# KiCad board RADAR_Main_Board.kicad_pcb (continued)
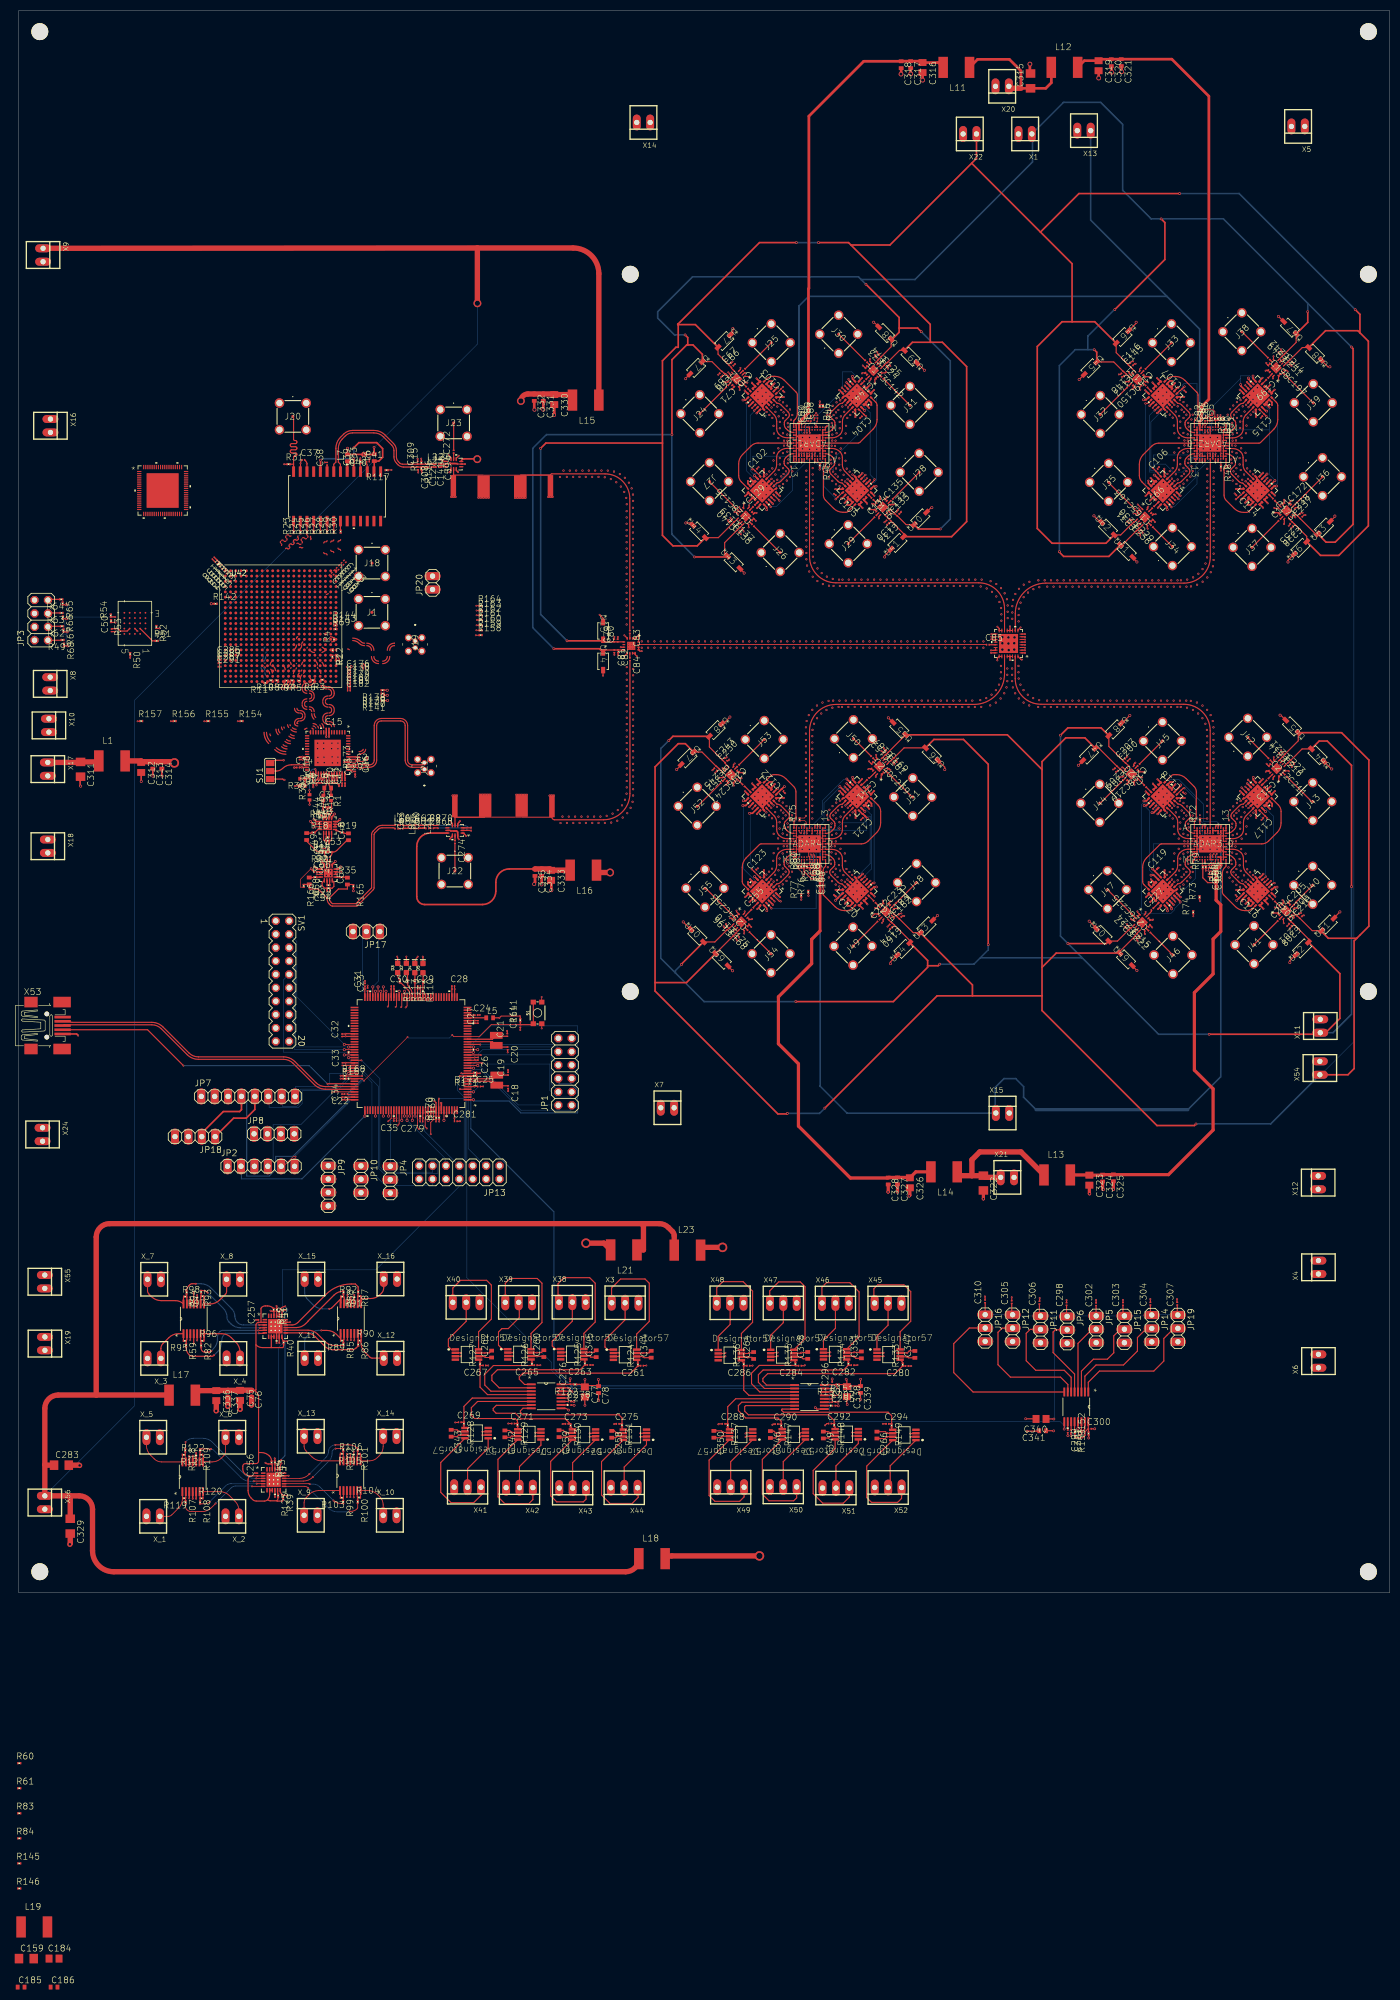
[diagram p0: board, top side]
## Routing (per net, layer and track width the routed paths; a pad name or vN(x,y) marks a point on that pad's centre or on a via; arc(x,y) is an arc through that point) (continued)
RX4_3: length 9
  Top w0.204: 219.26,133.84 219.85,134.44 arc(220.26,134.52) 220.61,134.75 221.94,136.08 arc(222.14,136.38) 222.21,136.72 arc(222.17,136.93) 222.05,137.1 221.41,137.74 arc(221.29,137.92) 221.25,138.12 221.25,138.48 arc(221.33,138.89) 221.56,139.23 221.82,139.49 arc(222.36,139.85) 223,139.99 ; 219.26,133.84 219.24,133.82 ; 219.26,133.84 219.25,133.85 ADTR1107_9.2 ; ADAR3_0.L1 223,139.99 ; 223,139.99 arc(223.02,139.99) 223.03,139.99
RX4_4: length 9.1
  Top w0.204: ADAR4_0.L1 146.96,139.97 arc(146.3,139.84) 145.75,139.47 145.49,139.21 arc(145.26,138.87) 145.18,138.46 145.18,138.1 arc(145.22,137.9) 145.34,137.72 145.98,137.08 arc(146.1,136.91) 146.14,136.7 arc(146.07,136.36) 145.87,136.06 144.54,134.73 arc(144.19,134.5) 143.78,134.42 143.23,133.87 ; 143.23,133.87 143.25,133.85 ADTR1107_13.2 ; 143.23,133.87 143.17,133.8
STEPPER_CLK+: length 23.3
  Top w0.15: U2.119 70.66,89.96 v1(70.1,89.4)
  In7.Cu w0.1: v1(70.1,89.4) 70,89.5 70,87.5 59.75,77.25 59.75,74.5 58.75,73.5 JP9.4
STEPPER_CW+: length 17.8
  Top w0.152: U2.118 v2(70.16,90.4)
  In7.Cu w0.1: JP9.2 58.75,78.5 58.75,79 70,90.25 v2(70.16,90.4)
STM32_MISO4: length 43.7
  Top w0.152: U2.4 v2(86.24,94.98)
  In7.Cu w0.1: JP13.1 91,81 91,90 86.25,94.75 v2(86.24,94.98)
  Bottom w0.1: JP1.8 102.25,100.25 101.25,101.25 101.25,103 88,103 87.25,102.25 87.25,101.25 85.75,99.75 85.75,99.25 87,98 87,95.75 86.25,95 v2(86.24,94.98)
STM32_MOSI4: length 42.1
  Top w0.152: U2.5 83.72,95.48 v1(83.7,95.5)
  In5.Cu w0.1: JP1.7 104.75,100 103.25,98.5 88,98.5 85,95.5 v1(83.7,95.5)
  Bottom w0.1: JP13.3 88.5,81 85.25,84.25 85.25,95.5 v1(83.7,95.5)
STM32_NRST: length 65
  Top w0.1: v1(52.5,82.7) 52.05,82.7 50.25,80.9 49.8,80.9 JP2.5 ; v1(73.75,105.35) v1(65.5,97.1)
  Top w0.15: C164.2 89.62,107.72 87.38,105.48 U2.25 82.5,105.48 82.24,105.75 v1(82.23,105.75)
  Top w0.204: R111.1 C164.2 97.18,107.72 arc(97.41,107.77) S1.4 S1.3
  Bottom w0.1: v1(52.5,82.7) 52.5,82.85 62.8,93.15 62.8,94.65 65.25,97.1 v1(65.5,97.1) ; v1(73.75,105.35) 73.9,105.2 81.7,105.2 82.2,105.7 v1(82.23,105.75)
STM32_OSC_32_N: length 8.1
  Top w0.204: C18.1 90.81,96.13 XTAL3.2 89.94,97 85.15,97 U2.8
STM32_OSC_32_P: length 8
  Top w0.204: U2.9 85.15,97.46 89.98,97.46 XTAL3.1 92.81,98.16 C19.1
STM32_OSC_N: length 8
  Top w0.204: C20.1 90.9,103.48 XTAL1.2 90.55,103.8 89.85,104.5 85.15,104.5 U2.23
STM32_OSC_P: length 7.9
  Top w0.204: C21.1 90.76,105.52 XTAL1.1 90.58,105.69 89.85,104.96 85.15,104.96 U2.24
STM32_RX3: length 14.1
  Top w0.152: U2.70 v1(66.66,113.96)
  Bottom w0.1: JP17.2 65.75,125.25 65.25,124.75 65.25,114 66.5,114 v1(66.66,113.96)
STM32_RX5: length 22.1
  Top w0.152: U2.116 v2(69.16,90.4)
  In5.Cu w0.1: JP8.3 49.75,87.25 50.5,88 66.75,88 69,90.25 v2(69.16,90.4)
STM32_SCL1: length 88.3
  Top w0.204: v1(50.55,54.3) 50.52,54.3 arc(50.13,54.22) 49.8,54 arc(49.51,53.57) 49.41,53.06 U7.20 ; v1(78.85,93.25) 79.16,92.94 U2.136 79.16,90.35 arc(79.16,90.34) R170.2 ; U69.20 49.1,24.16 arc(49.19,24.61) 49.45,25 49.46,25.01 arc(49.62,25.11) 49.8,25.15 arc(49.8,25.15) v1(49.8,25.14)
  In7.Cu w0.204: v1(78.85,93.25) 78.75,93.25 75.25,89.75 75.25,87.25 66,78 66,72.75 50.5,57.25 50.5,54.25 v1(50.55,54.3)
  Bottom w0.204: v1(50.55,54.3) 50.5,54.25 51,53.75 51,53.5 50.5,53 50.5,26 49.75,25.25 v1(49.8,25.14)
STM32_SCL2: length 178.3
  Top w0.204: U89.14 201.57,30.93 v6(201.15,30.5) ; v1(83.95,98.5) 83.97,98.48 U2.11 85.99,98.48 arc(86.17,98.52) R172.2 ; U10.14 104.81,38.23 arc(104.91,38.21) v6(105,38.15) ; U88.14 154.31,38.09 arc(154.39,38.11) 154.45,38.15 arc(154.45,38.15) v6(154.45,38.15)
  In5.Cu w0.204: v6(154.45,38.15) 154.5,38 155.5,38 157.5,36 191.75,36 197.25,30.5 v6(201.15,30.5)
  Bottom w0.204: v6(105,38.15) 105,39 104.75,39.25 ; 104.75,39.25 154.25,39.25 154.75,38.75 154.75,38.5 154.5,38.25 v6(154.45,38.15) ; 104.75,39.25 101.5,42.5 101.5,72.25 85.75,88 85.75,96.75 84,98.5 v1(83.95,98.5)
STM32_SCL3: length 63.2
  Top w0.204: R167.2 U2.100 65.17,97.48 v1(65.2,97.45)
  Top w0.3: JP18.2 34.72,87.17 38.8,91.25 41.9,91.25 42.25,91.6 JP7.4
  Bottom w0.204: 65.25,97.5 v1(65.2,97.45) 62.5,94.75 62.5,93.25 52,82.75 48.75,82.75 48.75,80.25 47.5,79 43.25,79 43.25,93 42.25,94 JP7.4
STM32_SCLK4: length 49.9
  Top w0.204: U2.1 v2(86.24,93.48)
  In5.Cu w0.204: v2(86.24,93.48) 86.25,93.25 87.25,93.25 87.25,81 88.25,80 89.5,80 91,78.5 JP13.2
  Bottom w0.204: JP1.6 102.5,97.5 102.5,96.5 104.75,96.5 106,95.25 106,91 95.25,91 93,93.25 86.25,93.25 v2(86.24,93.48)
STM32_SDA1: length 106.7
  Top w0.204: U69.19 49.6,23.95 arc(49.67,24.27) 49.85,24.55 arc(49.84,24.55) v1(49.84,24.56) ; U7.19 49.91,52.97 arc(49.97,53.28) 50.15,53.55 arc(50.26,53.62) 50.39,53.65 v1(50.55,53.65) ; v1(79.7,93.7) 79.66,93.66 U2.137 79.66,90.47 arc(79.68,90.39) R169.2
  Bottom w0.1: 50,53 50.5,53.5 v1(50.55,53.65) ; 50,53 50,47.25 49.25,46.5 49.25,25 49.75,24.5 v1(49.84,24.56) ; 50,53 50,61.25 67.75,61.25 84.75,78.25 84.75,93.75 79.75,93.75 v1(79.7,93.7)
STM32_SDA2: length 183.6
  Top w0.2: U10.15 104.07,38.88 arc(104.3,38.83) v6(104.5,38.7) ; U88.15 154.13,38.74 arc(154.14,38.75) 154.15,38.75 arc(154.15,38.76) v6(154.14,38.77)
  Top w0.204: v6(201.3,29.9) 201.45,29.9 201.65,30.1 201.65,30.5 202.22,31.07 U89.15 ; v1(83.65,97.95) 83.68,97.98 U2.10 86.11,97.98 arc(86.23,98) R171.2
  Bottom w0.1: 153.75,38.75 153.75,32.5 197.5,32.5 200,30 201.25,30 v6(201.3,29.9) ; 153.75,38.75 154,38.75 v6(154.14,38.77) ; 153.75,38.75 105.5,38.75 105.5,38 105.25,37.75 104.75,37.75 104.5,38 v6(104.5,38.7) 104.5,38.75 101,42.25 101,43.75 85,59.75 85,94 84.5,94 83.25,95.25 83.25,97.75 83.5,98 v1(83.65,97.95)
STM32_SDA3: length 37.2
  Top w0.15: U2.99 65.13,97.98 v1(65.15,98)
  Top w0.204: U2.99 62.2,97.98 arc(62.13,97.99) R168.2
  Top w0.3: JP7.5 44.79,91.64 43.15,90 40.76,90 JP18.1
  In5.Cu w0.1: JP7.5 45,94.25 46,95.25 62.25,95.25 65,98 v1(65.15,98)
STM32_SWCLK: length 31.8
  Top w0.204: U2.109 v2(65.66,90.4)
  Bottom w0.204: v2(65.66,90.4) 65.5,90.25 53.75,78.5 42.25,78.5 42.25,80.75 JP2.2
STM32_SWDIO: length 26.4
  Top w0.15: v1(59.45,94.85) 59.58,94.98 U2.105
  Bottom w0.1: v1(59.45,94.85) 59.5,94.75 53.5,88.75 48.25,88.75 48.25,82 47.25,81 JP2.4
STM32_SWO: length 30.9
  Top w0.152: U2.133 v2(77.66,89.58)
  In5.Cu w0.1: v2(77.66,89.58) 77.5,89.5 77,89 68.25,89 61.25,82 53.5,82 52.5,81 JP2.6
STM32_TX3: length 13
  Top w0.152: U2.69 v2(67.16,114.88)
  Bottom w0.1: JP17.1 68.25,125.25 68.25,116 67.25,115 v2(67.16,114.88)
STM32_TX5: length 23.1
  Top w0.152: U2.113 v2(67.66,90.4)
  In5.Cu w0.1: JP8.2 47.25,87.25 48.25,88.25 65.5,88.25 67.5,90.25 v2(67.66,90.4)
STM32_USB_FS_D_N: length 60
  Top w0.204: X53.2 9.63,108.36 arc(9.64,108.36) 9.65,108.35 arc(9.86,108.21) 10.1,108.16 25.24,108.16 arc(26.39,107.94) 27.37,107.28 32.29,102.36 arc(33.12,101.81) 34.09,101.61 50.24,101.61 arc(51.39,101.39) 52.37,100.73 56.38,96.72 arc(57.2,96.17) 58.17,95.98 U2.103
STM32_USB_FS_D_P: length 60
  Top w0.204: U2.104 58.21,95.48 arc(57.06,95.71) 56.08,96.36 52.04,100.41 arc(51.21,100.96) 50.24,101.15 34.09,101.15 arc(32.94,101.38) 31.96,102.03 27.04,106.96 arc(26.21,107.51) 25.24,107.7 8.67,107.7 arc(8.49,107.66) X53.3
STM32_USB_FS_ID: length 59.6
  Top w0.204: 63.69,96.48 63.65,96.52 v1(58.55,96.52) ; 63.69,96.48 U2.102 ; 63.69,96.48 63.69,96.48 ; v1(31.25,99.95) 24.44,106.76 X53.4
  Bottom w0.204: v1(58.55,96.52) 58.55,96.5 55.1,99.95 v1(31.25,99.95)
TR_SW_POS_1: length 81.5
  Top w0.2: ADTR1107_1.20 142.62,206 v6(142.62,205.9) ; v6(162.32,211.1) 162.32,210.95 ADTR1107_2.20 ; v6(157.4,230.1) 157.4,229.98 ADTR1107_4.20 ; v1(151.05,216.05) 151,216 ADAR1_0.B5 ; ADTR1107_3.20 138.2,225.58 v6(138.07,225.58)
  Bottom w0.1: 157.5,227.75 157.5,230 v6(157.4,230.1) ; 157.5,227.75 161.5,223.75 161.5,212 162.25,211.25 v6(162.32,211.1) ; 157.5,227.75 156,227.75 151,222.75 148.5,222.75 148.5,220 149.5,219 149.5,218 151,216.5 151,216 ; 151,216 v1(151.05,216.05) ; 151,216 146.75,211.75 146.75,209 143.75,206 142.75,206 v6(142.62,205.9) 142.5,206 142.5,208.25 138,212.75 138,225.5 v6(138.07,225.58)
TR_SW_POS_2: length 80
  Top w0.2: v6(218.65,205.85) 218.65,205.97 ADTR1107_5.20 ; ADTR1107_7.20 214.12,225.5 v6(213.72,225.5) ; v1(227.03,216) 227,215.98 ADAR2_0.B5
  Top w0.3: v3(238.27,210.88) 238.25,210.88 ADTR1107_6.20 ; v3(233.25,230.33) 233.25,230.13 ADTR1107_8.20
  Bottom w0.1: 237.25,220.5 226.5,220.5 226,220 226,219.75 225.5,219.25 225.5,218 227,216.5 227,216 ; 237.25,220.5 237.25,212 238.25,211 v3(238.27,210.88) ; 237.25,220.5 237.25,224.25 236,225.5 236,226.75 233.5,229.25 233.5,230 233.25,230.25 v3(233.25,230.33) ; 227,216 223.5,212.5 223.5,210.25 219.25,206 218.75,206 ; 227,216 v1(227.03,216) ; 218.75,206 v6(218.65,205.85) ; 218.75,206 217.75,206 213.75,210 213.75,225.5 v6(213.72,225.5)
TR_SW_POS_3: length 80.1
  Top w0.2: ADAR3_0.B5 225,144.03 v1(224.97,144) ; ADTR1107_12.20 234.12,153.21 v6(233.17,154.15) ; v6(238.2,134.55) 237.93,134.55 ADTR1107_10.20
  Top w0.3: v3(218.67,129.68) 218.67,129.95 ADTR1107_9.20 ; ADTR1107_11.20 213.9,149.28 v3(213.47,149.28)
  In7.Cu w0.1: v6(233.17,154.15) 233,154.25 232.25,154.25 227.5,149.5 227.5,147 ADAR3_0.B5 225,144 v1(224.97,144)
  Bottom w0.1: 219.25,131.5 223.25,135.5 223.25,139.75 223.75,140.25 223.75,142.5 224.5,142.5 225,143 225,144 v1(224.97,144) ; 219.25,131.5 216.75,134 216.75,134.75 214.5,137 214.5,148.25 v3(213.47,149.28) ; 219.25,131.5 218.5,130.75 218.5,129.75 v3(218.67,129.68) ; 238.25,134.5 v6(238.2,134.55) 238,134.75 238,147.25 233.5,151.75 233.5,153.75 233.25,154 v6(233.17,154.15)
TR_SW_POS_4: length 88.7
  Top w0.15: ADAR4_0.B5 149,144.03 v1(148.95,143.98)
  Top w0.2: ADTR1107_13.20 142.78,129.85 v6(142.78,129.78)
  Top w0.3: ADTR1107_16.20 157.08,154.3 v3(157.07,154.3) ; ADTR1107_14.20 161.98,134.6 v3(162.25,134.6) ; ADTR1107_15.20 137.9,149.28 v3(137.35,149.28)
  Bottom w0.1: 149,144 152.5,147.5 152.5,150.25 156.5,154.25 157,154.25 v3(157.07,154.3) 157.25,154.25 157.25,154 158.25,154 162.25,150 v3(162.25,134.6) ; 149,144 149,143.5 150.25,142.25 150.25,141.25 151.25,140.25 151.25,129.75 142.75,129.75 ; 149,144 v1(148.95,143.98) ; v3(137.35,149.28) 137.5,149.25 137.5,137.25 142.25,132.5 142.25,130.25 142.75,129.75 ; 142.75,129.75 v6(142.78,129.78)
TX1_1: length 9
  Top w0.204: ADTR1107_3.5 143.82,225.55 arc(144.23,225.47) 144.58,225.24 145.91,223.91 arc(146.11,223.61) 146.18,223.27 arc(146.14,223.06) 146.02,222.89 145.38,222.25 arc(145.26,222.07) 145.22,221.87 145.22,221.51 arc(145.3,221.1) 145.53,220.76 145.79,220.5 arc(146.34,220.13) ADAR1_0.L13
TX1_2: length 9.1
  Top w0.204: 219.22,226.15 219.23,226.13 ; 219.23,226.13 219.83,225.53 arc(220.24,225.45) 220.59,225.22 221.92,223.89 arc(222.12,223.59) 222.19,223.25 arc(222.15,223.04) 222.03,222.87 221.39,222.23 arc(221.27,222.05) 221.23,221.85 221.23,221.49 arc(221.31,221.08) 221.54,220.74 221.8,220.48 arc(222.35,220.11) 223,219.98 ; 219.23,226.13 219.25,226.15 ADTR1107_7.5 ; ADAR2_0.L13 223,219.98 ; 223,219.98 arc(223,219.98) 223.01,219.98
TX1_3: length 9.1
  Top w0.204: ADAR3_0.L13 229.07,139.98 arc(229.73,139.85) 230.28,139.48 230.54,139.22 arc(230.77,138.88) 230.85,138.47 230.85,138.11 arc(230.81,137.91) 230.69,137.73 230.05,137.09 arc(229.93,136.92) 229.89,136.71 arc(229.96,136.37) 230.16,136.07 231.49,134.74 arc(231.84,134.51) 232.25,134.43 232.81,133.86 ; 232.81,133.86 232.86,133.81 ; 232.81,133.86 232.8,133.85 ADTR1107_10.5
TX1_4: length 9.1
  Top w0.204: ADAR4_0.L13 153,139.96 arc(153.66,139.83) 154.21,139.46 154.47,139.2 arc(154.7,138.86) 154.78,138.45 154.78,138.09 arc(154.74,137.89) 154.62,137.71 153.98,137.07 arc(153.86,136.9) 153.82,136.69 arc(153.89,136.35) 154.09,136.05 155.42,134.72 arc(155.77,134.49) 156.18,134.41 156.74,133.84 ; 156.74,133.84 156.75,133.85 ADTR1107_14.5 ; 156.74,133.84 156.79,133.79
TX2_1: length 9
  Top w0.204: 141.86,211.24 141.85,211.25 ADTR1107_1.5 ; 141.86,211.24 ADTR1107_1.5 ; 141.86,211.24 143.23,212.61 arc(143.62,213.2) 143.76,213.88 143.76,215.24 arc(143.88,215.85) 144.22,216.36 arc(144.92,216.83) 145.75,216.99 146.99,216.99 ADAR1_0.E13 ; ADTR1107_1.5 141.82,211.2
TX2_2: length 9.1
  Top w0.204: ADTR1107_5.5 217.85,211.25 217.88,211.22 ; 217.83,211.18 217.88,211.22 ; 217.88,211.22 219.24,212.59 arc(219.63,213.18) 219.77,213.86 219.77,215.22 arc(219.89,215.83) 220.23,216.34 arc(220.93,216.81) 221.76,216.97 223,216.97 ADAR2_0.E13
TX2_3: length 9.1
  Top w0.204: ADAR3_0.E13 229.08,142.99 230.32,142.99 arc(231.15,143.15) 231.85,143.62 arc(232.19,144.13) 232.31,144.74 232.31,146.1 arc(232.45,146.78) 232.84,147.37 234.21,148.74 ; ADTR1107_12.5 234.2,148.75 234.21,148.74 ; 234.21,148.74 234.25,148.78
TX2_4: length 9
  Top w0.204: 158.16,148.74 158.15,148.75 ADTR1107_16.5 ; 158.16,148.74 156.77,147.35 arc(156.38,146.76) 156.24,146.08 156.24,144.72 arc(156.12,144.11) 155.78,143.6 arc(155.08,143.13) 154.25,142.97 153.01,142.97 ADAR4_0.E13 ; 158.16,148.74 158.18,148.76
TX3_1: length 9
  Top w0.204: 156.75,209.85 ADTR1107_2.5 ; 156.75,209.85 156.79,209.81 ; 156.75,209.85 156.18,210.43 arc(155.77,210.51) 155.42,210.74 154.09,212.07 arc(153.89,212.37) 153.82,212.71 arc(153.86,212.92) 153.98,213.09 154.62,213.73 arc(154.74,213.91) 154.78,214.11 154.78,214.47 arc(154.7,214.88) 154.47,215.22 154.21,215.48 arc(153.66,215.85) 153,215.98 ADAR1_0.C1
TX3_2: length 9.1
  Top w0.204: 232.75,209.85 232.75,209.85 ADTR1107_6.5 ; 232.75,209.85 232.19,210.41 arc(231.78,210.49) 231.43,210.72 230.1,212.05 arc(229.9,212.35) 229.83,212.69 arc(229.87,212.9) 229.99,213.07 230.63,213.71 arc(230.75,213.89) 230.79,214.09 230.79,214.45 arc(230.71,214.86) 230.48,215.2 230.22,215.46 arc(229.67,215.83) 229.01,215.96 ADAR2_0.C1 ; 232.75,209.85 232.8,209.79
TX3_3: length 9
  Top w0.204: ADTR1107_11.5 219.25,150.15 219.28,150.17 219.89,149.55 arc(220.3,149.47) 220.65,149.24 221.98,147.91 arc(222.18,147.61) 222.25,147.27 arc(222.21,147.06) 222.09,146.89 221.45,146.25 arc(221.33,146.07) 221.29,145.87 221.29,145.51 arc(221.37,145.1) 221.6,144.76 221.86,144.5 arc(222.38,144.14) 223,144 ; ADAR3_0.C1 223,144 ; 223,144 arc(223.04,144) 223.07,144
TX3_4: length 9.1
  Top w0.204: 143.21,150.15 143.23,150.13 ; 143.23,150.13 143.82,149.53 arc(144.23,149.45) 144.58,149.22 145.91,147.89 arc(146.11,147.59) 146.18,147.25 arc(146.14,147.04) 146.02,146.87 145.38,146.23 arc(145.26,146.05) 145.22,145.85 145.22,145.49 arc(145.3,145.08) 145.53,144.74 145.79,144.48 arc(146.34,144.11) 147,143.98 ADAR4_0.C1 ; 143.23,150.13 143.25,150.15 ADTR1107_15.5
TX4_1: length 9
  Top w0.204: 158.18,224.78 158.15,224.75 ; 158.15,224.75 158.15,224.75 ADTR1107_4.5 ; 158.15,224.75 156.77,223.37 arc(156.38,222.78) 156.24,222.1 156.24,220.74 arc(156.12,220.13) 155.78,219.62 arc(155.08,219.15) 154.25,218.99 153.01,218.99 ADAR1_0.J1
TX4_2: length 9.1
  Top w0.204: 234.16,224.74 232.78,223.35 arc(232.39,222.76) 232.25,222.08 232.25,220.72 arc(232.13,220.11) 231.79,219.6 arc(231.09,219.13) 230.26,218.97 229.02,218.97 ADAR2_0.J1 ; 234.16,224.74 234.19,224.76 ; 234.16,224.74 234.15,224.75 ADTR1107_8.5
TX4_3: length 9.1
  Top w0.204: ADTR1107_9.5 217.85,135.25 217.9,135.2 ; 223.06,140.99 223,140.99 ; 223,140.99 ADAR3_0.J1 ; 223,140.99 221.82,140.99 arc(220.99,140.83) 220.29,140.36 arc(219.95,139.85) 219.83,139.24 219.83,137.88 arc(219.69,137.2) 219.3,136.61 217.9,135.2 ; 217.89,135.2 217.9,135.2
TX4_4: length 9.1
  Top w0.204: ADAR4_0.J1 146.99,140.97 145.75,140.97 arc(144.92,140.81) 144.22,140.34 arc(143.88,139.83) 143.76,139.22 143.76,137.86 arc(143.62,137.18) 143.23,136.59 141.87,135.23 ; ADTR1107_13.5 141.85,135.25 141.87,135.23 ; 141.87,135.23 141.82,135.18
VG_1: length 11.4
  Top w0.204: X_7.1 24.43,57.3 arc(24.5,56.95) 24.7,56.65 25.21,56.14 arc(26.03,55.59) 27,55.4 29.73,55.4 arc(30.55,55.24) OPA_2.14 31.25,55.99 arc(31.27,56.09) R98.1
VG_2: length 8.4
  Top w0.204: 64.95,55.8 64.95,56.05 arc(64.93,56.15) R91.1 ; 64.95,55.8 OPA_4.8 ; 64.95,55.8 66.75,55.8 arc(67.72,55.99) 68.54,56.54 68.8,56.8 arc(69.12,57.28) 69.23,57.84 X_16.1
VG_3: length 9.1
  Top w0.204: R97.1 35.1,54.88 arc(35.12,54.82) OPA_2.8 36.32,54.77 arc(37.29,54.96) 38.11,55.51 39.25,56.65 arc(39.38,56.85) 39.43,57.08 X_8.1
VG_4: length 13.1
  Top w0.204: R92.1 61.1,55.75 ; 61.1,55.75 59.39,54.03 arc(59.19,53.9) 58.95,53.85 v1(58.9,53.85) ; 61.1,55.75 61.1,54.95 arc(61.09,54.88) OPA_4.14
  Bottom w0.204: v1(58.9,53.85) 57.65,53.85 arc(56.68,54.04) 55.86,54.59 54.75,55.7 arc(54.37,56.28) 54.23,56.96 X_15.1
VG_5: length 11.3
  Top w0.204: X_4.1 41.97,45.68 arc(41.78,46.65) 41.23,47.47 40.31,48.39 arc(39.49,48.94) 38.52,49.13 OPA_2.7 35.15,47.95 arc(35.13,47.85) R96.2
VG_6: length 12.9
  Top w0.204: 61.07,48.2 61.07,49.12 arc(61.07,49.15) OPA_4.1 ; 61.07,48.2 R89.2 ; 61.07,48.2 60.27,49.01 arc(59.44,49.56) 58.47,49.75 v1(57.4,49.75)
  Bottom w0.204: X_11.1 54.23,47.73 arc(54.31,48.15) 54.55,48.5 55.06,49.01 arc(55.88,49.56) 56.85,49.75 v1(57.4,49.75)
VG_7: length 8.8
  Top w0.204: X_3.1 26.97,46.33 arc(27.07,46.83) 27.35,47.25 28.49,48.39 arc(29.31,48.94) 30.28,49.13 OPA_2.1 31.25,47.79 arc(31.25,47.79) R95.2
VG_8: length 7.8
  Top w0.204: OPA_4.7 64.95,47.93 arc(64.94,47.87) R90.2 64.91,47.45 arc(65.1,46.48) 65.65,45.65 66.65,44.65 arc(66.82,44.54) 67.01,44.5 X_12.1
VG_9: length 11.5
  Top w0.15: X_5.1 24.23,27.92 arc(24.42,26.95) 24.97,26.13 25.7,25.4 arc(26.34,24.97) 27.1,24.82 OPA_1.14 arc(31.06,24.84) 31.06,24.86 R122.1
VG_10: length 9.1
  Top w0.15: R105.1 64.78,25.3 arc(64.81,25.15) 64.9,25.02 ; OPA_3.8 64.9,25.02 ; 64.9,25.02 66.53,25.02 arc(67.35,25.18) 68.05,25.65 68.39,25.99 arc(68.94,26.81) 69.13,27.78 X_14.1
VG_11: length 9.3
  Top w0.15: 35,24.82 36.67,24.82 arc(37.64,25.01) 38.46,25.56 38.9,26 arc(39.14,26.37) 39.23,26.8 X_6.1 ; 35,24.82 OPA_1.8 ; 35,24.82 35,25.85 arc(34.96,26.03) R121.1
VG_12: length 11.4
  Top w0.15: X_13.1 54.13,27.79 arc(54.23,27.31) 54.5,26.9 55.64,25.76 arc(56.46,25.21) 57.43,25.02 OPA_3.14 60.95,26.14 arc(60.97,26.26) R106.1
VG_13: length 11.1
  Top w0.15: X_2.1 41.77,15.58 arc(41.58,16.55) 41.03,17.37 39.96,18.44 arc(39.14,18.99) 38.17,19.18 OPA_1.7 34.95,18 arc(34.94,17.96) R120.2
VG_14: length 11.7
  Top w0.15: X_9.1 54.13,17.09 arc(54.24,17.63) 54.55,18.1 55.09,18.64 arc(55.91,19.19) 56.88,19.38 OPA_3.1 arc(61.01,19.29) 61.04,19.18 R103.2
VG_15: length 7.5
  Top w0.15: 31.05,17.95 31.05,17.85 arc(30.86,16.88) 30.31,16.06 29.05,14.8 arc(28.72,14.58) 28.33,14.5 X_1.1 ; 31.05,17.95 OPA_1.1 ; 31.05,17.95 arc(31.07,17.94) 31.1,17.93 R119.2
VG_16: length 9
  Top w0.15: X_10.1 69.13,16.68 arc(68.97,17.5) 68.5,18.2 68.06,18.64 arc(67.24,19.19) 66.27,19.38 OPA_3.7 64.85,18.2 arc(64.84,18.13) R104.2

## Copper pours and planes (outline as drawn; the poured copper is in the pictures)
+1V0_FPGA on In3.Cu: 53.08,169.62 2.42,169.62 2.42,175.58 38.92,175.58 38.92,187.08 53.08,187.08
+1V8_CLOCK_F on In3.Cu: 67.1,152.4 27.9,152.4 27.9,159.1 67.1,159.1
+1V8_FPGA on In2.Cu: 65.08,153.42 49.42,153.42 49.42,161.62 2.42,161.62 2.42,168.58 36.6,168.58 36.6,186.58 65.08,186.58
+3V3 on In2.Cu: 91.58,73.78 212.58,73.78 212.58,11.42 77.42,11.42 77.42,69.92 0.42,69.92 0.42,98.08 57.42,98.08 57.42,118.08 91.58,118.08
+3V3_ADTR on In3.Cu: 245.65,181.35 144.65,181.35 144.65,162.15 242.65,162.15 242.65,87.65 255.15,87.65 255.15,53.85 112.35,53.85 112.35,233.65 245.65,233.65
+3V3_AN4_F on In3.Cu: 205.6,28.9 146.6,28.9 146.6,3.4 138.9,3.4 138.9,8.9 100.9,8.9 100.9,41.1 205.6,41.1
+3V3_AN5_F on In7.Cu: 109.7,61.4 90.1,61.4 90.1,49.6 122.6,49.6 122.6,40.9 87.1,40.9 87.1,34.6 121.6,34.6 121.6,26.4 78.4,26.4 78.4,68.1 109.7,68.1
+3V3_AN6_F on In7.Cu: 178.1,25.4 129.4,25.4 129.4,33.1 172.4,33.1 172.4,41.9 129.4,41.9 129.4,48.6 172.9,48.6 172.9,62.3 131.8,62.3 131.8,67.6 178.1,67.6
+3V3_FPGA on In7.Cu: 29.08,222.58 39.58,222.58 39.58,216.58 83.39,216.58 83.39,168.17 13.8,168.17 13.8,217.32 1.42,217.32 1.42,229.08 29.08,229.08
+3V3_VDD_SW on In7.Cu: 245.15,180.85 242.15,180.85 242.15,87.15 254.65,87.15 254.65,69.35 111.85,69.35 111.85,233.15 245.15,233.15
+5V0_0 on In2.Cu: 65.58,130.42 51.92,130.42 51.92,138.22 1.42,138.22 1.42,149.58 65.58,149.58
+5V0_PA_1 on In2.Cu: 130.65,253.15 180.65,253.15 180.65,221.65 199.35,221.65 199.35,253.15 223.65,253.15 223.65,215.85 181.15,215.85 181.15,192.35 114.35,192.35 114.35,284.15 130.65,284.15
+5V0_PA_2 on In2.Cu: 255.65,115.35 227.35,115.35 227.35,172.85 200.85,172.85 200.85,213.15 227.35,213.15 227.35,284.65 255.65,284.65
+5V0_PA_3 on In2.Cu: 223.65,103.35 131.15,103.35 131.15,83.35 119.35,83.35 119.35,157.15 223.65,157.15
+5V5_PA on In2.Cu: 18.5,58.1 67.1,58.1 67.1,46.5 19.1,46.5 19.1,27.9 68.7,27.9 68.7,16.1 10.5,16.1 10.5,59.1 2.9,59.1 2.9,62.9 18.5,62.9
-3V3_SW on In5.Cu: 248.55,157.95 227.95,157.95 227.95,183.05 248.55,183.05
-3V3_SW on In5.Cu: 246.15,181.35 145.15,181.35 145.15,162.15 243.15,162.15 243.15,87.65 255.65,87.65 255.65,37.35 112.85,37.35 112.85,233.65 246.15,233.65
-5V5_PA on In3.Cu: 66.9,46.5 19.1,46.5 19.1,27.9 68.7,27.9 68.7,16.3 10.5,16.3 10.5,47.3 2.3,47.3 2.3,51.3 13.5,51.3 13.5,58.1 66.9,58.1
GND on In1.Cu: 260.08,-0.08 -0.08,-0.08 -0.08,300.08 260.08,300.08
GND on In4.Cu: 260.08,-0.08 -0.08,-0.08 -0.08,300.08 260.08,300.08
GND on In6.Cu: 260.08,-0.08 -0.08,-0.08 -0.08,300.08 260.08,300.08
GND on In8.Cu: 260.08,-0.08 -0.08,-0.08 -0.08,300.08 260.08,300.08
